# KiCad board vanilla-ice40-8k.kicad_pcb (continued)
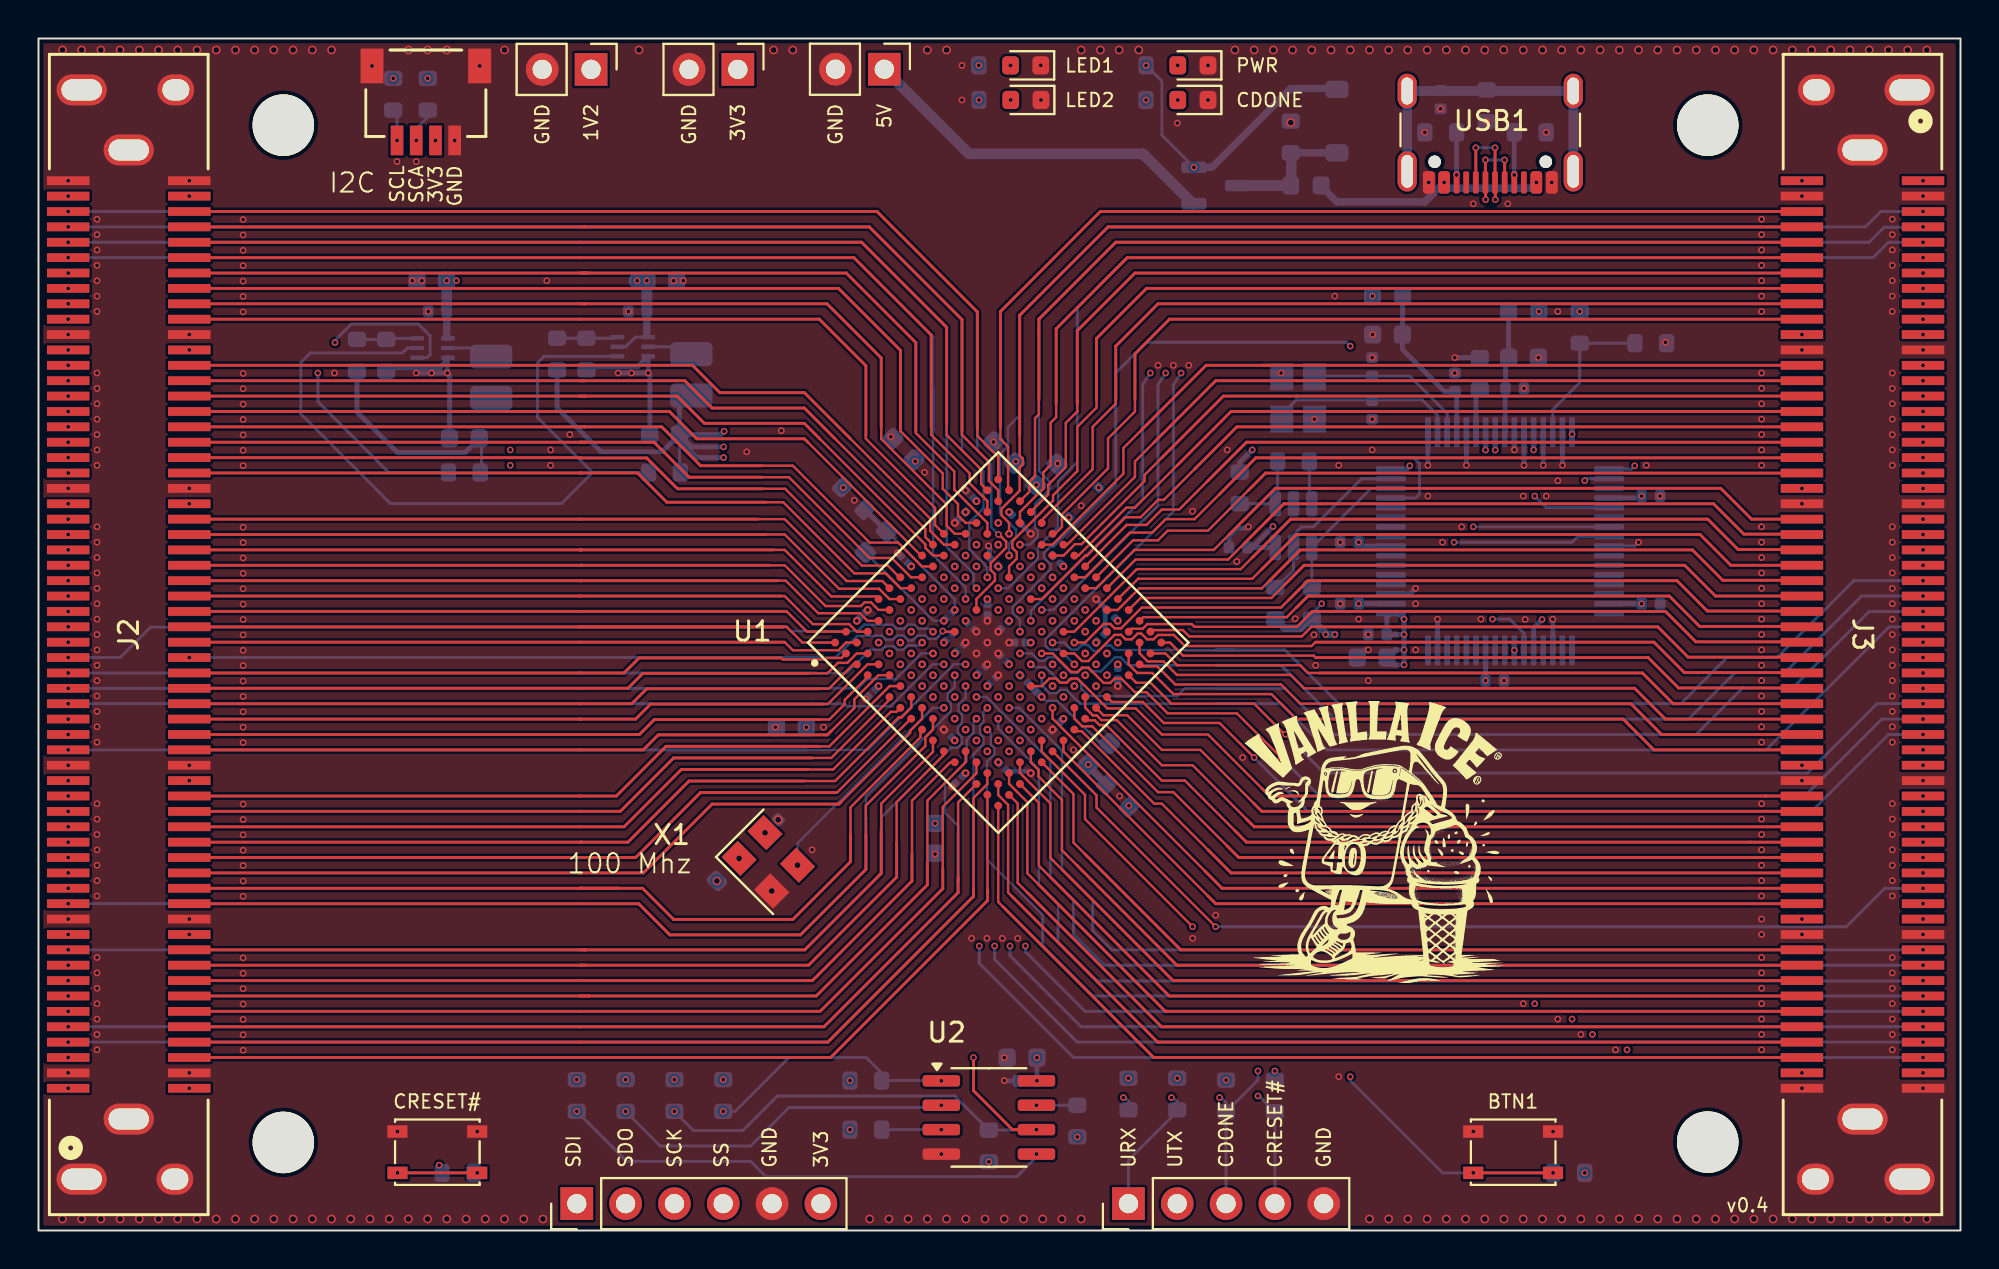
[diagram p0: board, top side]
## Routing (per net, layer and track width the routed paths; a pad name or vN(x,y) marks a point on that pad's centre or on a via; arc(x,y) is an arc through that point) (continued)
  Top w0.156: 57.4,41.65 60.75,45 63.65,45 ; J3.73 63.65,45 ; 63.65,45 64.05,45
/IOR_150: length 55.1
  In2.Cu w0.127: v1(52.2,34.54) 52.44,34.78 52.44,35.34 57.05,39.95 57.05,43.2
  In2.Cu w0.156: 57.05,43.2 57.05,45.6 59.65,48.2 v1(98.05,48.2)
/IOR_151: length 47.4
  Top w0.127: 56.05,43.2 56.05,43 54.85,41.8 54.85,39.6 52.2,36.95 U1.E16
  Top w0.156: 56.05,43.2 56.05,46 58.25,48.2 J3.69
/IOR_152: length 57.5
  In2.Cu w0.127: v1(51.63,33.97) 51.63,34.59 52.15,35.11 52.15,35.8 53.24,36.9 53.24,37.24 56.05,40.04 56.05,44.4
  In2.Cu w0.156: v1(98.05,49) 89.05,49 59.05,49 56.05,46 56.05,44
/IOR_153: length 49.6
  Top w0.127: 54.05,43.2 54.05,42.6 53.45,42 53.45,39.7 52.53,38.78 52.53,38.28 51.63,37.38 U1.D16
  Top w0.156: J3.67 57.05,49.8 54.05,46.8 54.05,43
/IOR_154_USR2: length 27.3
  In3.Cu w0.127: 51.25,43.6 51.25,39.37 50.86,38.98 50.86,35.99 50.7,35.82 50.7,35.52 50.91,35.31 50.91,34.91 50.7,34.69 50.7,33.77 v1(51.06,33.41)
  In3.Cu w0.156: 51.25,44 51.25,43.6 51.25,55.8 48.93,58.11 v1(48.93,58.8)
/IOR_155: length 57.3
  In2.Cu w0.127: 55.05,43.8 55.05,39.8 52.25,37 52.25,36.3 51.85,35.9 51.85,35.32 v1(51.63,35.11)
  In2.Cu w0.156: v1(98.05,49.8) 58.45,49.8 55.05,46.4 55.05,43.6
/IOR_156: length 52.3
  Top w0.127: 55.05,43.2 55.05,42.8 54.05,41.8 54.05,39.5 52.79,38.24 52.79,37.97 50.67,35.85 50.67,35.51 50.9,35.28 50.9,34.95 50.5,34.55 U1.F12
  Top w0.156: J3.68 57.65,49 55.05,46.4 55.05,43.2
/IOR_157: length 51.2
  Top w0.127: 52.95,43 52.95,42.3 52.66,42.01 52.66,39.81 52.28,39.43 52.28,38.59 51.06,37.37 U1.D15
  Top w0.156: J3.66 56.65,50.6 52.95,46.9 52.95,43
/IOR_158: length 62
  Bottom w0.127: 54.05,43.4 54.05,39.98 53.05,38.98 53.05,36.6 52,35.55 52,34.95 50.45,33.41 v1(49.93,33.41)
  Bottom w0.156: 54.05,43.4 54.05,48 56.65,50.6 95.45,50.6 96.25,51.4 v1(98.05,51.4)
/IOR_160: length 61
  Bottom w0.127: 52.05,43.4 52.05,39.52 52.65,38.91 52.65,38.58 51.85,37.78 51.85,36.54 52,36.39 52,36.09 51.58,35.67 v1(51.06,35.67)
  Bottom w0.156: 52.05,43.4 52.05,47.4 56.05,51.4 95.25,51.4 96.03,52.18 98.03,52.18 v1(98.05,52.2)
/IOR_161: length 51.2
  Top w0.127: 52.05,43.2 52.05,42.45 51.85,42.25 51.85,39.23 51.55,38.93 51.55,38.42 U1.C16
  Top w0.156: J3.65 56.05,51.4 52.05,47.4 52.05,43.2
/IOR_162: length 59.4
  In2.Cu w0.127: v1(51.06,34.54) 51.06,35.15 51.45,35.54 51.45,35.83 51.26,36.01 51.26,36.92 52.15,37.8 52.15,38.5 54.05,40.4 54.05,43.4
  In2.Cu w0.156: v1(98.05,50.6) 70.05,50.6 ; 70.05,50.6 57.85,50.6 54.05,46.8 54.05,43.4 ; 70.05,50.6 69.85,50.6
/IOR_165: length 55.1
  Top w0.127: 50.05,41.8 50.05,41.16 50.45,40.76 50.45,38.63 50.5,38.58 ; 50.42,38.58 U1.B16
  Top w0.156: 50.05,43.55 50.05,41.8 50.05,47.8 55.25,53 J3.63
/IOR_166: length 62.7
  Bottom w0.127: 51.05,43.4 51.05,42.4 50.44,41.79 50.44,40.79 50.03,40.38 50.03,37.29 50.86,36.45 50.86,36.09 50.5,35.72 v1(50.5,35.11)
  Bottom w0.156: 51.05,43.4 51.05,47.6 55.65,52.2 95.05,52.2 95.85,53 v1(98.05,53)
/IOR_167: length 54.7
  Top w0.127: v1(50.5,36.24) 50.5,36.81 50.1,37.2 50.1,37.53 51.05,38.48 51.05,39.68 51.21,39.85 51.21,40.15 51.05,40.32 51.05,41.4
  Top w0.156: J3.64 55.65,52.2 51.05,47.6 51.05,41.4
/IOT_168: length 57.2
  In2.Cu w0.127: 48.05,41.28 48.05,38.83 47.87,38.65 47.87,38.35 49.42,36.8 v1(49.93,36.8)
  In2.Cu w0.156: v1(1.55,49.8) 42.03,49.8 48.05,43.78 48.05,41.28
/IOT_169: length 52.7
  Top w0.127: 48.05,41.58 48.05,41.38 49.45,39.98 49.45,38.99 49.93,38.51 U1.B15
  Top w0.156: 28.45,52.2 43.23,52.2 48.05,47.38 48.05,41.58 ; 28.45,52.2 28.16,52.2 ; 28.45,52.2 J2.117
/IOT_170: length 57.2
  In2.Cu w0.127: 47.25,41.28 47.25,37.84 49.05,36.04 49.57,36.04 v1(49.93,35.67)
  In2.Cu w0.156: 47.25,41.28 47.25,43.38 41.63,49 v1(1.55,49)
/IOT_171: length 50.7
  Top w0.127: U1.B14 49.37,37.94 48.45,38.86 48.45,39.38 46.45,41.38 46.45,41.78
  Top w0.156: 46.45,41.78 46.45,46.58 42.43,50.6 28.16,50.6 J2.115
/IOT_172: length 55.5
  In2.Cu w0.127: v1(48.8,35.67) 48.28,35.67 46.55,37.41 46.55,42.68 45.65,43.58
  In2.Cu w0.156: v1(1.55,48.2) 41.03,48.2 45.65,43.58
/IOT_173: length 63.3
  Bottom w0.127: 48.05,41.38 48.05,41.58 48.05,40.58 49.17,39.46 49.17,37.58 48.44,36.84 48.44,35.42 49.37,34.49 v1(49.37,33.97)
  Bottom w0.156: v1(1.55,52.2) 43.23,52.2 48.05,47.38 48.05,41.58
/IOT_174: length 51.3
  Top w0.127: 45.65,41.58 45.65,41.48 47.65,39.48 47.65,38.53 49.37,36.81 U1.C13
  Top w0.156: 28.16,49.8 28.65,49.8 ; 28.65,49.8 28.45,49.8 J2.114 ; 28.65,49.8 42.03,49.8 45.65,46.18 45.65,41.58
/IOT_176: length 52.4
  Top w0.127: U1.A16 49.93,40.25 48.85,41.33 48.85,41.78
  Top w0.156: 28.25,53 J2.118 ; 28.25,53 43.63,53 48.85,47.78 48.85,41.78 ; 28.25,53 28.16,53
/IOT_177: length 50.6
  Top w0.127: U1.A15 49.05,38.82 49.05,39.58 47.25,41.38 47.25,41.98
  Top w0.156: 47.25,41.98 47.25,46.98 42.83,51.4 28.16,51.4 J2.116
/IOT_178: length 49.3
  Top w0.127: 44.85,41.58 47.05,39.38 47.05,38.58 47.84,37.79 47.84,37.2 48.24,36.8 U1.B13
  Top w0.156: J2.113 28.16,49 41.63,49 44.85,45.78 44.85,41.58
/IOT_179: length 62.1
  Bottom w0.127: v1(48.8,33.41) 48.65,33.56 48.65,34.17 48.65,34.17 47.25,35.58 47.25,41.78 ; 47.25,41.38 47.25,41.58
  Bottom w0.156: 47.25,41.58 47.25,46.98 42.83,51.4 v1(1.55,51.4)
/IOT_180: length 54.6
  In2.Cu w0.127: 43.85,41.48 43.85,40.58 45.45,38.98 45.45,37.98 48.24,35.19 v1(48.24,35.11)
  In2.Cu w0.156: v1(1.55,47.4) 40.63,47.4 43.85,44.18 43.85,41.38
/IOT_181: length 52.1
  In2.Cu w0.127: v1(48.8,34.54) 48.28,34.54 44.95,37.88 44.95,38.48 42.05,41.38
  In2.Cu w0.156: 42.15,41.28 39.85,43.58 35.45,43.58 34.05,44.98 1.57,44.98 v1(1.55,45)
/IOT_182: length 48.7
  Top w0.127: 43.85,41.78 43.85,41.17 47.25,37.77 47.25,36.67 47.68,36.24 U1.B12
  Top w0.156: 28.45,48.2 41.03,48.2 43.85,45.38 43.85,41.78 ; 28.45,48.2 28.16,48.2 ; 28.45,48.2 J2.112
/IOT_183: length 43.1
  Top w0.127: 40.65,41.18 46.14,35.68 46.14,35.51 46.55,35.11 U1.B10
  Top w0.156: 28.45,43.4 J2.106 ; 28.45,43.4 28.16,43.4 ; 28.45,43.4 33.23,43.4 34.65,41.98 39.85,41.98 40.65,41.18
/IOT_184: length 44.2
  Top w0.127: 42.25,41.18 46.39,37.03 46.39,36.39 47.11,35.67 U1.B11
  Top w0.156: 42.25,41.18 39.85,43.58 35.45,43.58 34.03,45 28.25,45 ; 28.25,45 J2.108 ; 28.25,45 28.16,45
/IOT_185: length 50.4
  In2.Cu w0.127: 41.65,40.98 44.45,38.18 44.45,37.78 47.67,34.56 v1(47.67,34.54)
  In2.Cu w0.156: 41.65,40.98 39.85,42.78 35.05,42.78 33.65,44.18 1.57,44.18 v1(1.55,44.2)
/IOT_186: length 42.8
  Top w0.127: U1.A10 46.14,36.07 46.14,36.49 41.45,41.18
  Top w0.156: 41.45,41.18 39.85,42.78 35.05,42.78 33.63,44.2 28.45,44.2 ; 28.16,44.2 28.45,44.2 ; 28.45,44.2 J2.107
/IOT_187: length 46.6
  Top w0.127: U1.A11 46.65,36.69 46.65,37.58 43.05,41.18 43.05,41.38
  Top w0.156: 43.05,41.38 43.05,44.98 40.63,47.4 28.16,47.4 J2.111
/IOT_190: length 50.6
  In2.Cu w0.127: 39.05,41.98 42.02,39.01 42.69,39.01 47.72,33.97 v1(48.24,33.97)
  In2.Cu w0.156: v1(1.55,43.4) 1.57,43.38 33.25,43.38 34.65,41.98 39.05,41.98
/IOT_191: length 49.1
  In2.Cu w0.127: v1(47.1,33.97) 44.8,36.28 43.45,36.28 38.55,41.18 38.05,41.18
  In2.Cu w0.156: 38.05,41.18 34.25,41.18 32.83,42.6 v1(1.55,42.6)
/IOT_192: length 63.3
  Bottom w0.127: 46.55,43.88 46.55,35.15 48.24,33.46 v1(48.24,32.84)
  Bottom w0.156: v1(1.55,50.6) 42.43,50.6 46.55,46.48 46.55,41.58
/IOT_193: length 49.6
  In2.Cu w0.127: 38.65,39.78 39.25,39.78 43.25,35.78 44.71,35.78 47.09,33.41 v1(47.67,33.41)
  In2.Cu w0.156: 38.65,39.78 34.45,39.78 32.43,41.8 v1(1.55,41.8)
/IOT_194: length 41.5
  Top w0.127: 40.05,40.98 40.05,40.98 42.24,38.79 42.24,38.79 45.92,35.11 U1.A9
  Top w0.156: 40.05,40.98 39.85,41.18 34.25,41.18 32.83,42.6 28.45,42.6 ; 28.45,42.6 28.16,42.6 ; 28.45,42.6 28.25,42.6 J2.105
/IOT_196: length 67.2
  Top w0.127: U1.F9 48.8,32.85 49.76,33.81 49.76,34.14 49.54,34.36 49.54,34.7 50.35,35.51 50.35,35.83 49.98,36.2 v1(49.95,36.2)
  Bottom w0.127: 48.85,41.98 48.85,40.58 49.57,39.86 49.57,36.58 v1(49.95,36.2) 49.87,36.2 ; 48.85,41.33 48.85,41.58
  Bottom w0.156: v1(1.55,53) 43.63,53 48.85,47.78 48.85,41.58
/IOT_197: length 48.1
  In2.Cu w0.127: 38.65,39.18 39.05,39.18 43.25,34.98 44.45,34.98 45.26,34.17 45.65,34.17 46.42,33.41 v1(46.54,33.41)
  In2.Cu w0.156: v1(1.55,41) 32.03,41 33.85,39.18 38.65,39.18
/IOT_198: length 41
  Top w0.127: U1.F7 47.08,31.15 v1(47.05,31.18)
  Bottom w0.127: v1(47.05,31.18) 47.05,31.14 46.69,30.78 46.29,30.78 46.12,30.95 45.72,30.95 45.46,30.68 45.26,30.68 44.99,30.95 44.69,30.95 44.48,30.73 44.08,30.73 43.86,30.95 43.56,30.95 43.54,30.93 42.59,30.93 41.47,29.8 40.47,29.8
  Bottom w0.156: 40.47,29.8 v1(7.85,29.8)
/IOT_199: length 42
  Top w0.127: U1.B9 45.97,34.54 44.73,35.78 43.25,35.78 39.25,39.78 37.65,39.78
  Top w0.156: J2.104 28.45,41.8 ; 28.45,41.8 28.16,41.8 ; 28.45,41.8 32.43,41.8 34.45,39.78 37.65,39.78
/IOT_200: length 48.8
  In2.Cu w0.127: v1(47.1,32.84) 46.49,32.84 45.41,33.92 44.91,33.92 44.25,34.58 42.85,34.58 38.85,38.58 38.25,38.58
  In2.Cu w0.156: 38.45,38.58 33.25,38.58 31.63,40.2 v1(1.55,40.2)
/IOT_203: length 41.3
  Top w0.127: 37.65,39.18 39.05,39.18 43.25,34.98 44.4,34.98 45.4,33.97 U1.B8
  Top w0.156: 37.65,39.18 33.85,39.18 32.03,41 28.45,41 ; 28.45,41 28.25,41 J2.103 ; 28.45,41 28.16,41
/IOT_205: length 39.6
  Top w0.127: U1.A7 44.8,33.97 44.19,34.58 42.85,34.58 38.85,38.58 37.65,38.58
  Top w0.156: 28.16,40.2 J2.102 ; 28.16,40.2 28.18,40.18 ; 28.16,40.2 28.18,40.18 ; 37.65,38.58 33.25,38.58 31.65,40.18 28.18,40.18
/IOT_206: length 47.3
  In2.Cu w0.127: 44.05,34.18 44.85,33.38 45.45,33.38 45.97,32.85 v1(45.97,32.84) ; 44.05,34.18 44.1,34.13 ; 44.05,34.18 42.45,34.18 38.75,37.88 38.25,37.88
  In2.Cu w0.156: 38.35,37.88 32.75,37.88 31.23,39.4 v1(1.55,39.4)
/IOT_207: length 40.1
  Top w0.127: 37.85,37.88 38.75,37.88 42.45,34.18 44.08,34.18 44.85,33.41 U1.B7
  Top w0.156: 28.16,39.4 28.25,39.4 ; 28.25,39.4 J2.101 ; 28.25,39.4 31.17,39.4 32.69,37.88 37.85,37.88
/IOT_208: length 38.4
  Top w0.127: U1.B6 44.27,32.84 43.73,33.38 41.65,33.38 38.83,36.2 37.85,36.2
  Top w0.156: J2.97 28.16,36.2 37.85,36.2
/IOT_209: length 45.5
  In2.Cu w0.127: 38.35,36.2 38.83,36.2 41.65,33.38 43.75,33.38 44.26,32.87 44.81,32.87 v1(45.41,32.28)
  In2.Cu w0.156: 38.35,36.2 v1(1.55,36.2)
/IOT_210: length 46.9
  In2.Cu w0.127: 38.33,37 38.83,37 42.05,33.78 43.95,33.78 44.6,33.13 45.08,33.13 45.92,32.28 v1(46.54,32.28)
  In2.Cu w0.156: 38.33,37 v1(1.55,37)
/IOT_211: length 37.9
  Top w0.127: U1.A6 43.9,33.78 42.05,33.78 38.83,37 37.43,37
  Top w0.156: J2.98 28.16,37 37.43,37
/IOT_212: length 46
  In2.Cu w0.127: 38.33,35.4 38.83,35.4 41.25,32.98 43.55,32.98 43.91,32.62 44.45,32.62 45.36,31.71 v1(45.97,31.71)
  In2.Cu w0.156: 38.33,35.4 v1(1.55,35.4)
/IOT_213: length 37
  Top w0.127: U1.A5 43.57,32.98 41.25,32.98 38.83,35.4 38.23,35.4
  Top w0.156: 28.25,35.4 38.23,35.4 ; 28.25,35.4 J2.96 ; 28.25,35.4 28.16,35.4
/IOT_214: length 37.6
  Top w0.127: U1.B5 44.27,32.28 43.7,32.28 43.31,32.67 42.98,32.67 42.79,32.48 40.95,32.48 38.83,34.6 38.03,34.6
  Top w0.156: 28.16,34.6 28.25,34.6 ; 28.25,34.6 J2.95 ; 28.25,34.6 38.03,34.6
/IOT_215: length 46.2
  Bottom w0.127: 38.93,31.38 39.13,31.18 42.63,31.18 42.96,31.51 44.43,31.51 44.64,31.3 45.04,31.3 45.26,31.51 45.56,31.51 45.77,31.3 46.39,31.3 v1(46.54,31.15)
  Bottom w0.156: 38.93,31.38 5.83,31.38 4.25,29.8 v1(1.55,29.8)
/IOT_216: length 36.8
  Top w0.127: 38.45,33.8 38.88,33.8 40.57,32.11 42.74,32.11 43.14,31.71 U1.B4
  Top w0.156: 28.25,33.8 28.16,33.8 ; 28.25,33.8 38.45,33.8 ; 28.25,33.8 J2.94
/IOT_218: length 34.7
  Top w0.127: U1.A2 39.98,31.15 38.93,32.2 38.85,32.2
  Top w0.156: 28.25,32.2 38.85,32.2 ; 28.25,32.2 J2.92 ; 28.25,32.2 28.16,32.2
/IOT_219: length 45
  In2.Cu w0.127: 38.43,33.8 38.83,33.8 40.55,32.08 42.75,32.08 43.15,31.68 44.26,31.68 44.79,31.15 v1(45.41,31.15)
  In2.Cu w0.156: 38.43,33.8 v1(1.55,33.8)
/IOT_220: length 44.5
  Top w0.127: U1.A1 39.75,30.58 38.93,31.4 38.77,31.4
  Top w0.156: 28.16,31.4 38.75,31.4 ; 28.16,31.4 38.77,31.4 ; 28.16,31.4 J2.91
/IOT_221: length 44.6
  In2.Cu w0.127: v1(44.84,31.71) 44.82,31.71 44.25,32.28 43.65,32.28 43.51,32.42 43.51,32.43 43.3,32.64 42.99,32.64 42.83,32.48 40.95,32.48 38.83,34.6 38.43,34.6
  In2.Cu w0.156: 38.43,34.6 v1(1.55,34.6)
/IOT_222: length 43.5
  In2.Cu w0.127: v1(44.28,31.15) 44.14,31.28 42.45,31.28 42.15,31.58 40.25,31.58 38.83,33 38.65,33
  In2.Cu w0.156: 38.65,33 v1(1.55,33)
/IOT_223: length 36.1
  Top w0.127: U1.B3 42.57,31.15 42.18,31.54 40.29,31.54 38.83,33 38.65,33
  Top w0.156: J2.93 28.16,33 38.65,33
/IOT_224: length 44
  In2.Cu w0.127: v1(44.84,30.58) 44.32,30.58 43.92,30.98 40.15,30.98 38.93,32.2 38.73,32.2
  In2.Cu w0.156: 38.73,32.2 v1(1.55,32.2)
/IOT_225: length 45.2
  Bottom w0.127: 40.45,29 42.07,29 43.28,30.21 43.86,30.21 44.03,30.38 44.52,30.38 44.69,30.21 44.99,30.21 45.21,30.43 45.82,30.43 v1(45.97,30.58)
  Bottom w0.156: 40.45,29 v1(1.55,29)
/IOT_226: length 43.2
  In2.Cu w0.127: v1(44.28,30.01) 44.24,29.98 ; 38.83,30.6 39.63,29.8 42.88,29.8 43.09,30.01 44.24,30.01
  In2.Cu w0.156: v1(1.55,30.6) 38.83,30.6
/IOT_227: length 42.7
  In2.Cu w0.127: v1(43.71,30.58) 43.53,30.4 39.93,30.4 38.93,31.4 38.65,31.4
  In2.Cu w0.156: 38.65,31.4 v1(1.55,31.4)
/sram programmer/FT_VCORE: length 12.1
  Bottom w0.156: U3.12 77.79,40.66 77.85,40.6
  Bottom w0.254: v1(71.05,31) C45.1 70.15,31.89 70.36,32.1 70.75,32.1 v1(71.05,31.8) v1(71.05,29.42) 70.54,29.42 C44.1 70.56,30.2 v1(71.05,30.2) ; v1(71.35,39.77) 71.17,39.6 70.36,39.6 ; v1(78.23,31.78) 77.79,31.34 U3.37 ; U3.12 v1(77.79,40.6)
/sram programmer/FTDI_URX: length 46.8
  In3.Cu w0.156: v1(76.79,30.18) 76.79,6.74 73.65,3.6 60.65,3.6 56.71,7.54 v1(56.71,7.93)
/sram programmer/FTDI_UTX: length 46.6
  In3.Cu w0.156: v1(75.65,31.8) 75.67,31.78 75.67,6.88 73.59,4.8 61.85,4.8 59.25,7.4 v1(59.25,7.93)
  Bottom w0.156: v1(75.65,31.8) 76.55,31.8 77.29,31.06 U3.38
/sram programmer/RESET#: length 8.1
  Bottom w0.156: U3.14 78.79,42.7 80.19,44.1 R23.2 83.06,46.15
/USB_DN: length 18.1
  Top w0.155: v1(75.29,53.62) 75.29,54.5 USB1.A7
  Top w0.156: USB1.B7 76.28,55.6 76.37,55.68 ; 75.28,55.5 USB1.A7
  In3.Cu w0.155: v1(75.29,40.59) 75.34,40.64 75.34,53.57 v1(75.29,53.62)
  Bottom w0.155: v1(75.29,40.59) U3.7
  Bottom w0.156: v1(75.28,55.68) v1(76.28,55.68)
/USB_DP: length 19.6
  Top w0.155: USB1.A6 75.79,54.5 v1(75.79,53.62)
  Top w0.156: USB1.A6 75.78,56.27 75.73,56.32 ; USB1.B6 v1(74.78,56.32)
  In3.Cu w0.155: 75.72,40.67 v1(75.79,40.59) 75.75,40.64 75.75,53.57 v1(75.79,53.62)
  Bottom w0.155: v1(75.79,40.59) 75.79,41.52 U3.8
  Bottom w0.156: v1(74.78,56.32) 75.73,56.32
  vias: v1(75.78,56.32)
EXT_5V: length 19
  Bottom w0.381: 60.12,53.35 60.07,53.3
  Bottom w0.559: 60.07,53.4 57.47,56 48.41,56 J7.1
USB_5V: length 6.9
  Bottom w0.381: 62.39,54.4 62.49,54.3 ; D2.2 R30.2
  Bottom w0.559: 65.16,55.98 65.18,55.95 65.18,54.35 62.49,54.35
Net-(5V_1-A):
  vias: v1(59.27,60.6)
Net-(D1-K): length 4.7
  In4.Cu w0.127: v1(49.93,34.54) 50.45,34.54 53,37.09 v1(53.61,37.09)
Net-(FB3-Pad1): length 13.4
  Bottom w0.381: v1(73.13,54.51) 72.12,53.5 ; 72.12,53.5 72.83,54.21 77.63,54.21 v1(77.93,54.51) ; 72.12,53.5 67.56,53.5 66.76,54.3
Net-(U1E-VCCPLL0): length 8.3
  In4.Cu w0.127: v1(54.62,24.23) 53.99,24.23 50.7,27.52 50.7,27.9 51.06,28.27 v1(51.06,28.88)
  Bottom w0.381: 54.58,24.2 v1(54.62,24.23) 54.62,24.13 R10.2
Net-(U1E-VCCPLL1): length 7.2
  Bottom w0.127: v1(47.67,32.28) 47.67,32.83 44.14,36.36 ; 44.14,36.36 C12.1 44.14,36.36
  Bottom w0.254: R11.2 C12.1
Net-(U2-~{HOLD}): length 2.1
  Bottom w0.156: R22.2 v1(51.92,6.52)
Net-(U2-~{WP}): length 3.1
  Bottom w0.156: R21.2 v1(46.97,5.25)
Net-(U3-ADBUS0): length 79
  In2.Cu w0.156: v1(33.09,7.85) 33.74,7.2 37.25,7.2 39.05,9 43.05,9 44.65,10.6 79.45,10.6 79.85,11
  In3.Cu w0.156: v1(79.79,41.42) 79.85,41.36 ; v1(79.79,11) 79.79,41.36
Net-(U3-ADBUS1): length 88.9
  In2.Cu w0.156: v1(82.65,9.4) 82.25,9 55.05,9 51.87,5.82 30.04,5.82 v1(28.01,7.85)
  In3.Cu w0.156: v1(83.05,39.77) 82.65,39.37 v1(82.65,9.4)
  Bottom w0.156: U3.17 82.87,39.6 v1(83.05,39.77)
Net-(U3-ADBUS2): length 82.6
  In2.Cu w0.156: v1(80.85,10.2) 80.45,9.8 45.45,9.8 42.23,6.58 31.82,6.58 v1(30.55,7.85)
  In3.Cu w0.156: v1(80.85,10.2) 80.85,38.6 v1(80.45,39)
  Bottom w0.156: U3.18 80.55,39.1 v1(80.45,39)
Net-(U3-ADBUS4): length 74.4
  In2.Cu w0.156: v1(35.63,7.85) 38.38,10.6 42.85,10.6 43.65,11.4 77.45,11.4 v1(77.85,11.8)
  In3.Cu w0.156: v1(77.85,11.8) v1(77.85,38.2)
  Bottom w0.156: v1(77.85,38.2) 78.45,37.6 U3.21
Net-(U3-ADBUS6): length 50.7
  In3.Cu w0.156: v1(61.79,7.83) 61.79,7.26 63.25,5.8 72.65,5.8 74.65,7.8 v1(74.65,36.6)
  Bottom w0.156: U3.23 v1(74.65,36.6)
Net-(U3-ADBUS7): length 46.5
  In3.Cu w0.156: v1(64.33,8.3) 64.95,8.3 66.25,7 72.25,7 73.65,8.4 v1(73.65,35.8)
  Bottom w0.156: 81.63,36.1 80.09,36.1 79.79,35.8 v1(73.65,35.8) ; R17.1 v1(64.33,8.3) ; 81.63,36.18 U3.24
Net-(U3-EECLK): length 7.5
  Bottom w0.156: 70.36,38.6 69.32,38.6 U4.4 ; R27.2 66.25,35.53
Net-(U3-EECS): length 9.5
  Bottom w0.156: 70.36,39.1 68.83,39.1 66.33,36.6 65.71,36.6 65.3,36.19 U4.5 65.3,34.34 64.35,33.39
Net-(U3-EEDATA): length 11.8
  Bottom w0.156: 66.12,38.2 66.12,37.93 U4.3 66.25,38.08 66.12,38.2 ; 66.12,38.2 66.12,40 ; 70.36,38.1 71.65,38.1 71.85,38.3 71.85,39.9 71.55,40.2 66.32,40.2 R29.2
Net-(U3-OSCI): length 9.5
  Bottom w0.156: 64.74,42.5 65.44,43.2 71.99,43.2 72.79,42.4 U3.2
Net-(U3-OSCO): length 8.7
  Bottom w0.156: U3.3 73.29,42.5 71.35,44.44 C50.1 66.43,44.44 Y1.1
Net-(U3-REF): length 2.3
  Bottom w0.156: R19.2 74.79,43.55
  Bottom w0.254: 74.79,43.55 U3.6
Net-(U3-VPHY): length 8.6
  Bottom w0.156: 70.98,46.61 C37.1
  Bottom w0.254: C37.1 70.96,45.83 73.15,43.64 C38.1 73.79,43.54 U3.4 ; FB2.2 70.98,46.61
Net-(U3-VPLL): length 6.4
  Bottom w0.156: 76.31,41.54 U3.9
  Bottom w0.254: FB1.2 C35.1 76.33,45.24 C36.1 76.31,43.78 76.31,41.54
Net-(U4-DO): length 4.1
  Bottom w0.156: R26.2 U4.1 64.47,37.93 64.47,40
Net-(U5-FB): length 3.2
  Bottom w0.156: U5.6 30.07,46.41 R36.2 R35.1
Net-(U5-PG): length 42
  Bottom w0.156: 29.59,39.43 28.83,39.43 27.21,37.81 18.31,37.81 13.65,42.47 13.65,45.14 14.16,45.65 18.94,45.65 19.2,45.9 U6.5 ; 29.59,39.43 31.68,39.43 31.68,39.04 ; 29.59,39.43 28.82,39.43 25.97,42.28 25.97,45.14 26.29,45.47 U5.4
Net-(U6-FB): length 3.1
  Bottom w0.156: 16.57,46.35 R39.2 ; U6.6 18.15,46.4
Net-(U6-PG): length 19.1
  In4.Cu w0.156: v1(14.54,44.6) 14.54,45.29 v1(15.43,46.18)
  Bottom w0.156: R37.2 18.22,39.42 14.54,43.11 v1(14.54,44.6) ; v1(15.43,46.18) 15.43,46.29 16.28,47.14 19.77,47.14 20.38,46.54 20.38,45.56 20.22,45.4 U6.4
Net-(USB1-CC1): length 2.2
  Bottom w0.254: R32.2 76.78,57.11 v1(76.78,54.9)
Net-(USB1-CC2): length 2.2
  Bottom w0.254: R31.2 v1(73.78,54.9)
Net-(USB1-SHIELD): length 17
  Bottom w0.508: USB1.S1 USB1.S1 USB1.S1 USB1.S1
Net-(USR1-A):
  vias: v1(50.57,60.6)
Net-(USR2-A):
  vias: v1(50.58,58.8)
Net-(X1-OE):
  vias: v2(36.45,19.36)
unconnected-(U1C-IOB_103_CBSEL0-PadK11):
  vias: v1(52.2,31.15)
unconnected-(U1C-IOB_104_CBSEL1-PadP13):
  vias: v1(55.59,30.01)
unconnected-(U3-ACBUS5-Pad32): length 0
  Bottom w0.127: 82.2,32.15 82.18,32.17

## Copper pours and planes (outline as drawn; the poured copper is in the pictures)
+1V2 on Bottom: 22.29,44.12 25.21,44.12 25.21,38.79 22.29,38.79
+3V3 on Bottom: 32.83,44.19 36.76,44.19 36.76,38.8 32.83,38.8
+3V3 on In4.Cu: -46.79,99.42 129.65,99.42 129.65,-25.22 -46.79,-25.22
+5V on Bottom: 20.94,48.11 20.94,46.28 21.63,46.28 21.63,48.11
+5V on Bottom: 31.35,48.19 31.35,46.36 32.06,46.36 32.06,48.19
GND on Top, Bottom, In2.Cu, In3.Cu: -42.49,95.52 123.65,95.52 123.65,-21.12 -42.49,-21.12
GND on In1.Cu: -37.59,91.8 122.85,91.8 122.85,-17.24 -37.59,-17.24
(no net) on Bottom: 21.6,46 22.79,46.08 24.65,46.08 24.65,44.81 22.79,44.81 21.6,45.8
(no net) on Bottom: 31.94,46.09 32.7,46.21 35.06,46.21 35.06,44.95 33.2,44.95 31.94,45.86
/sram programmer/FT_VCORE on Bottom: 69.59,32.3 69.59,29.2 71.25,29.2 71.25,32.3
/sram programmer/FT_VCORE on In4.Cu: 70.15,42.2 70.15,29.2 82.05,29.2 82.05,42.2

## Text on the board
B.Silkscreen: https://pbozeman.dev | https://github.com/pbozeman/vanilla-ice40 | 1V2 | 3V3 | SRAM Programmer and UART
F.Silkscreen: CRESET# | LED1 | LED2 | PWR | CDONE | BTN1 | v0.4 | SCL | SCA | 3V3 | GND | SDI | 1V2 | SDO | SCK | SS | 5V | URX | UTX | I2C | 100 Mhz
